# KiCad board AT386SX.kicad_pcb (continued)
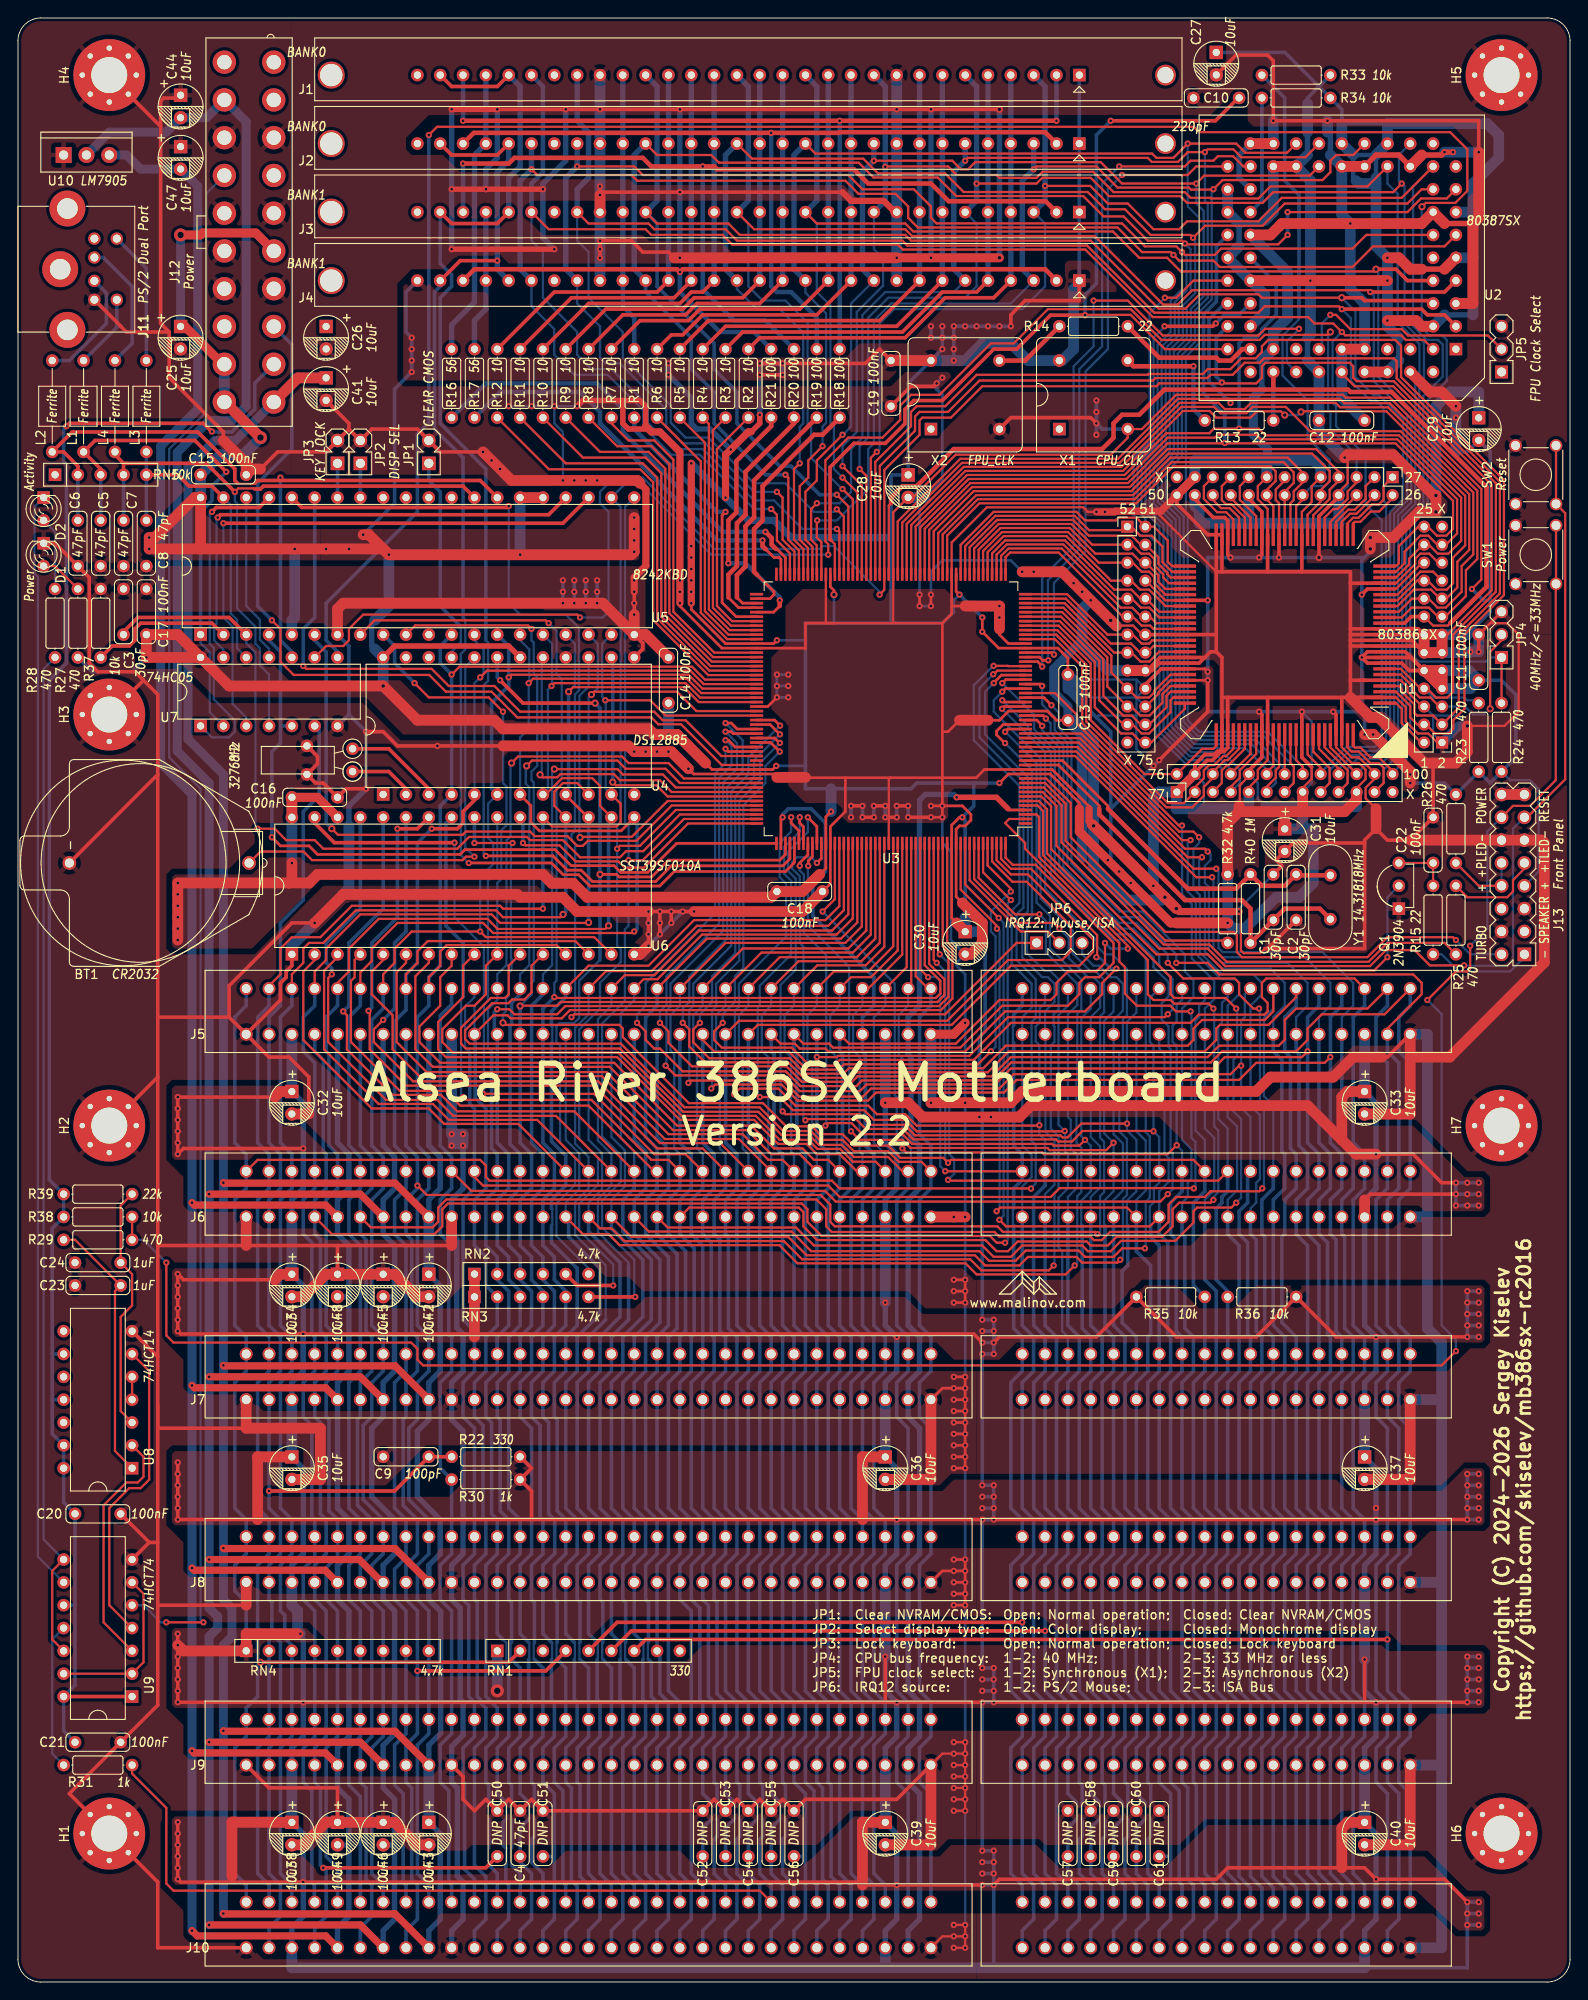
[diagram p0: board, top side]
## Footprints (pads in the part's own frame, mm; a bottom-side part is the same pattern mirrored in y, then rotated) (continued)
Res_762
  round 1.397 hole 0.813: 1(-3.81,0) 2(3.81,0)
Switch_Tactile_6mm
  round 1.4 hole 1.001: 1(-3.251,2.25) 1(3.251,2.25) 2(-3.251,-2.25) 2(3.251,-2.25)
Transistor_TO92_EBC_254
  rect 1.397x1.397 hole 0.813: 1(-2.54,0)
  round 1.397 hole 0.813: 2(0,0) 3(2.54,0)

## Nets
+12V: C41.1 C42.1 C43.1 J5.9 J6.9 J7.9 J8.9 J9.9 J10.9 J12.10
-5V: C47.2 C48.2 C49.2 J5.5 J6.5 J7.5 J8.5 J9.5 J10.5 U10.3
-12V: C44.2 C45.2 C46.2 J5.7 J6.7 J7.7 J8.7 J9.7 J10.7 J12.12 U10.2
GND: BT1.2 C1.2 C2.2 C3.2 C4.2 C5.2 C6.2 C7.2 C8.2 C9.2 C10.2 C11.2 C12.2 C13.2 C14.2 C15.2 C16.2 C17.2 C18.2 C19.2 C20.2 C21.2 C22.2 C23.2 C24.2 C25.2 C26.2 C27.2 C28.2 C29.2 C30.2 C31.2 C32.2 C33.2 C34.2 C35.2 C36.2 C37.2 C38.2 C39.2 C40.2 C41.2 C42.2 C43.2 C44.1 C45.1 C46.1 C47.1 C48.1 C49.1 C50.2 C51.2 C52.2 C53.2 C54.2 C55.2 C56.2 C57.2 C58.2 C59.2 C60.2 C61.2 D1.1 H1.1 H2.1 H3.1 H4.1 H5.1 H6.1 H7.1 J1.9 J1.22 J2.9 J2.22 J3.9 J3.22 J4.9 J4.22 J5.1 J5.10 J5.31 J5.80 J6.1 J6.10 J6.31 J6.80 J7.1 J7.10 J7.31 J7.80 J8.1 J8.10 J8.31 J8.80 J9.1 J9.10 J9.31 J9.80 J10.1 J10.10 J10.31 J10.80 J11.3 J12.3 J12.5 J12.7 J12.13 J12.15 J12.16 J12.17 J13.4 J13.5 J13.11 J13.12 J13.15 J13.16 J14.1 J14.6 J14.11 J14.12 J14.13 J14.14 J14.21 J15.9 J15.15 J15.23 J15.26 J16.14 J16.17 J16.18 J17.1 J17.4 J17.9 J17.24 JP1.2 JP2.2 JP3.2 JP4.3 JP5.3 Q1.1 R37.2 SW1.1 SW2.1 U1.2 U1.5 U1.11 U1.12 U1.13 U1.14 U1.22 U1.35 U1.41 U1.49 U1.50 U1.63 U1.67 U1.68 U1.77 U1.78 U1.85 U1.98 U2.5 U2.14 U2.21 U2.25 U2.27 U2.32 U2.34 U2.38 U2.42 U2.55 U2.60 U2.61 U2.63 U2.66 U3.13 U3.26 U3.41 U3.65 U3.78 U3.93 U3.117 U3.130 U3.145 U3.169 U3.182 U3.197 U4.12 U4.13 U4.16 U5.7 U5.20 U6.1 U6.16 U7.7 U8.7 U9.7 U10.1 X1.4 X2.4 Y2.3
VCC: C11.1 C12.1 C13.1 C14.1 C15.1 C16.1 C17.1 C18.1 C19.1 C25.1 C26.1 C27.1 C28.1 C29.1 C30.1 C31.1 C32.1 C33.1 C34.1 C35.1 C36.1 C37.1 C38.1 C39.1 C40.1 J1.1 J1.30 J2.1 J2.30 J3.1 J3.30 J4.1 J4.30 J5.3 J5.29 J5.78 J6.3 J6.29 J6.78 J7.3 J7.29 J7.78 J8.3 J8.29 J8.78 J9.3 J9.29 J9.78 J10.3 J10.29 J10.78 J11.4 J12.4 J12.6 J12.19 J12.20 J13.7 J14.7 J14.9 J14.10 J14.22 J15.8 J15.13 J15.18 J15.24 J16.8 J16.20 J16.22 J17.10 J17.15 J17.21 JP5.1 R22.1 R23.1 R24.1 R26.1 R27.1 R30.1 R32.1 R33.1 R34.1 R35.1 R36.1 RN1.1 RN2.1 RN3.1 RN4.1 RN5.1 U1.8 U1.9 U1.10 U1.21 U1.32 U1.39 U1.42 U1.48 U1.57 U1.69 U1.71 U1.84 U1.91 U1.97 U2.4 U2.9 U2.13 U2.22 U2.26 U2.31 U2.33 U2.37 U2.39 U2.43 U2.46 U2.50 U2.58 U2.62 U2.64 U3.12 U3.40 U3.64 U3.92 U3.116 U3.144 U3.168 U3.196 U4.18 U4.24 U5.5 U5.25 U5.26 U5.40 U6.30 U6.32 U7.14 X1.8 X2.8
/ISA Slots and Power/VSTB: C20.1 C21.1 J12.9 R38.2 R39.2 U8.9 U8.11 U8.13 U8.14 U9.1 U9.10 U9.14
/ISA Slots and Power/~{PS_OFF}: U9.2 U9.6 U9.13
/ISA Slots and Power/~{PS_ON}: J12.14 U9.5
/Memory, BIOS, Keyboard, RTC/DISP_SEL: JP2.1 U5.33
/Memory, BIOS, Keyboard, RTC/KB_CLOCK: J11.5 L1.2
/Memory, BIOS, Keyboard, RTC/KB_DATA: J11.1 L2.2
/Memory, BIOS, Keyboard, RTC/KBCI: C5.1 L1.1 RN5.3 U5.1 U7.2
/Memory, BIOS, Keyboard, RTC/KBCO: U5.37 U7.1
/Memory, BIOS, Keyboard, RTC/KBDI: C6.1 L2.1 RN5.2 U5.27 U7.10
/Memory, BIOS, Keyboard, RTC/KBDO: U5.38 U7.11
/Memory, BIOS, Keyboard, RTC/KEY_LOCK: JP3.1 U5.34
/Memory, BIOS, Keyboard, RTC/MS_CLOCK: J11.6 L3.2
/Memory, BIOS, Keyboard, RTC/MS_DATA: J11.2 L4.2
/Memory, BIOS, Keyboard, RTC/MSC0: U5.24 U7.13
/Memory, BIOS, Keyboard, RTC/MSCI: C8.1 L3.1 RN5.5 U5.39 U7.12
/Memory, BIOS, Keyboard, RTC/MSD0: U5.23 U7.3
/Memory, BIOS, Keyboard, RTC/MSDI: C7.1 L4.1 RN5.4 U5.28 U7.4
/Memory, BIOS, Keyboard, RTC/RA0: J1.4 J2.4 J3.4 J4.4 R2.2
/Memory, BIOS, Keyboard, RTC/RA1: J1.5 J2.5 J3.5 J4.5 R3.2
/Memory, BIOS, Keyboard, RTC/RA2: J1.7 J2.7 J3.7 J4.7 R4.2
/Memory, BIOS, Keyboard, RTC/RA3: J1.8 J2.8 J3.8 J4.8 R5.2
/Memory, BIOS, Keyboard, RTC/RA4: J1.11 J2.11 J3.11 J4.11 R6.2
/Memory, BIOS, Keyboard, RTC/RA5: J1.12 J2.12 J3.12 J4.12 R7.2
/Memory, BIOS, Keyboard, RTC/RA6: J1.14 J2.14 J3.14 J4.14 R8.2
/Memory, BIOS, Keyboard, RTC/RA7: J1.15 J2.15 J3.15 J4.15 R9.2
/Memory, BIOS, Keyboard, RTC/RA8: J1.17 J2.17 J3.17 J4.17 R10.2
/Memory, BIOS, Keyboard, RTC/RA9: J1.18 J2.18 J3.18 J4.18 R11.2
/Memory, BIOS, Keyboard, RTC/RA10: J1.19 J2.19 J3.19 J4.19 R12.2
/Memory, BIOS, Keyboard, RTC/~{RCAS0}: J1.2 J1.28 R18.2
/Memory, BIOS, Keyboard, RTC/~{RCAS1}: J2.2 J2.28 R19.2
/Memory, BIOS, Keyboard, RTC/~{RCAS2}: J3.2 J3.28 R20.2
/Memory, BIOS, Keyboard, RTC/~{RCAS3}: J4.2 J4.28 R21.2
/Memory, BIOS, Keyboard, RTC/~{RRAS01}: J1.27 J2.27 R16.2
/Memory, BIOS, Keyboard, RTC/~{RRAS23}: J3.27 J4.27 R17.2
/Memory, BIOS, Keyboard, RTC/~{RWE}: J1.21 J2.21 J3.21 J4.21 R1.2
/NC: J15.1 U1.27
/PWR_LED+: J13.8 J13.10 R26.2
/READY: JP4.1 R24.2 U7.8
/RESET_SW: J13.13 SW2.2 U3.8
/SPEAKER: Q1.2 U3.7
/SPEAKER-: J13.1 R15.1
/TURBO_LED+: J13.9 R25.1
/TURBO_SW: J13.2 U3.11
/~{ERROR}: J15.12 R33.2 U1.36
/~{FLT}: J15.4 U1.28
/~{FLUSH}: J15.6 U1.30
/~{KEN}: J15.3 U1.29
/~{LOCK}: J15.2 U1.26
/~{NA}: J14.5 JP4.2 U1.6
/~{RPLSET}: J15.19 U1.45
/~{RPLVAL}: J15.22 U1.46
/~{SMADS}: J14.19 U1.20
/~{SMI}: J15.21 U1.47
/~{SUSPA}: J15.20 U1.44
/~{SUSP}: J15.17 U1.43
A1: J14.17 U1.18 U3.74
A2: J16.2 U1.51 U2.48 U3.63
A3: J16.1 U1.52 U3.62
A4: J16.4 U1.53 U3.61
A5: J16.3 U1.54 U3.60
A6: J16.6 U1.55 U3.59
A7: J16.5 U1.56 U3.58
A8: J16.7 U1.58 U3.57
A9: J16.10 U1.59 U3.56
A10: J16.9 U1.60 U3.55
A11: J16.12 U1.61 U3.54
A12: J16.11 U1.62 U3.53
A13: J16.13 U1.64 U3.52
A14: J16.16 U1.65 U3.51
A15: J16.15 U1.66 U3.50
A16: J16.19 U1.70 U3.49
A17: J16.21 U1.72 U3.48
A18: J16.24 U1.73 U3.47
A19: J16.23 U1.74 U3.46
A20: J16.26 U1.75 U3.45
A21: J17.2 U1.76 U3.44
A22: J17.3 U1.79 U3.43
A23: J17.6 U1.80 U2.45 U3.42
AEN: J5.42 J6.42 J7.42 J8.42 J9.42 J10.42 U3.2
ALE: J5.28 J6.28 J7.28 J8.28 J9.28 J10.28 U3.158
BCLK: J5.20 J6.20 J7.20 J8.20 J9.20 J10.20 U3.5
CLK2: J14.16 R13.2 U1.15 U2.54 U3.79
CPU_PEREQ: J15.11 U1.37 U3.68
CPU_RESET: J15.7 U1.33 U3.70
D0: J1.3 J3.3 J14.2 U1.1 U2.19 U3.83
D1: J1.6 J3.6 J17.26 U1.100 U2.20 U3.84
D2: J1.10 J3.10 J17.23 U1.99 U2.23 U3.85
D3: J1.13 J3.13 J17.22 U1.96 U2.8 U3.86
D4: J1.16 J3.16 J17.19 U1.95 U2.7 U3.87
D5: J1.20 J3.20 J17.20 U1.94 U2.6 U3.88
D6: J1.23 J3.23 J17.17 U1.93 U2.3 U3.89
D7: J1.25 J3.25 J17.18 U1.92 U2.2 U3.90
D8: J2.3 J4.3 J17.16 U1.90 U2.24 U3.94
D9: J2.6 J4.6 J17.13 U1.89 U2.28 U3.95
D10: J2.10 J4.10 J17.14 U1.88 U2.29 U3.96
D11: J2.13 J4.13 J17.11 U1.87 U2.30 U3.97
D12: J2.16 J4.16 J17.12 U1.86 U2.16 U3.98
D13: J2.20 J4.20 J17.7 U1.83 U2.15 U3.99
D14: J2.23 J4.23 J17.8 U1.82 U2.12 U3.100
D15: J2.25 J4.25 J17.5 U1.81 U2.11 U3.101
D/~{C}: J14.23 U1.24 U3.72
DP_HI: J2.26 J2.29 J4.26 J4.29 U3.161
DP_LO: J1.26 J1.29 J3.26 J3.29 U3.160
DRQ0: J5.71 J6.71 J7.71 J8.71 J9.71 J10.71 U3.30
DRQ1: J5.18 J6.18 J7.18 J8.18 J9.18 J10.18 U3.28
DRQ2: J5.6 J6.6 J7.6 J8.6 J9.6 J10.6 U3.25
DRQ3: J5.16 J6.16 J7.16 J8.16 J9.16 J10.16 U3.23
DRQ5: J5.73 J6.73 J7.73 J8.73 J9.73 J10.73 U3.21
DRQ6: J5.75 J6.75 J7.75 J8.75 J9.75 J10.75 U3.19
DRQ7: J5.77 J6.77 J7.77 J8.77 J9.77 J10.77 U3.17
FPU_CLK2: R14.2 U2.53
FPU_PEREQ: U2.56 U3.37
FPU_RESET: C10.1 U2.51 U3.91
HLDA: J14.4 U1.3 U3.82
HOLD: J14.3 U1.4 U3.81
INTR: J15.16 U1.40 U3.66
IO_CH_RDY: J5.41 J6.41 J7.41 J8.41 J9.41 J10.41 R30.2 U3.33
IRQ3: C56.1 J5.25 J6.25 J7.25 J8.25 J9.25 J10.25 U3.208
IRQ4: C55.1 J5.24 J6.24 J7.24 J8.24 J9.24 J10.24 U3.207
IRQ5: C54.1 J5.23 J6.23 J7.23 J8.23 J9.23 J10.23 U3.206
IRQ6: C53.1 J5.22 J6.22 J7.22 J8.22 J9.22 J10.22 U3.205
IRQ7: C52.1 J5.21 J6.21 J7.21 J8.21 J9.21 J10.21 U3.204
IRQ9: C50.1 J5.4 J6.4 J7.4 J8.4 J9.4 J10.4 U3.203
IRQ10: C57.1 J5.65 J6.65 J7.65 J8.65 J9.65 J10.65 U3.202
IRQ11: C58.1 J5.66 J6.66 J7.66 J8.66 J9.66 J10.66 U3.201
IRQ12: C59.1 J5.67 J6.67 J7.67 J8.67 J9.67 J10.67 JP6.3
IRQ12_JP: JP6.2 U3.200
IRQ14: C61.1 J5.69 J6.69 J7.69 J8.69 J9.69 J10.69 U3.199
IRQ15: C60.1 J5.68 J6.68 J7.68 J8.68 J9.68 J10.68 U3.198
KBC_CLK: C3.1 U3.154 U5.3
KBC_IRQ1: U3.141 U5.35
KBC_IRQ12: JP6.1 U5.36
LA17: J5.88 J6.88 J7.88 J8.88 J9.88 J10.88 U3.170
LA18: J5.87 J6.87 J7.87 J8.87 J9.87 J10.87 U3.167
LA19: J5.86 J6.86 J7.86 J8.86 J9.86 J10.86 U3.166
LA20: J5.85 J6.85 J7.85 J8.85 J9.85 J10.85 U3.165
LA21: J5.84 J6.84 J7.84 J8.84 J9.84 J10.84 U3.164
LA22: J5.83 J6.83 J7.83 J8.83 J9.83 J10.83 U3.163
LA23: J5.82 J6.82 J7.82 J8.82 J9.82 J10.82 U3.162
M/~{IO}: J14.24 U1.23 U2.44 U3.73
MA0: R2.1 U3.111
MA1: R3.1 U3.112
MA2: R4.1 U3.113
MA3: R5.1 U3.114
MA4: R6.1 U3.115
MA5: R7.1 U3.118
MA6: R8.1 U3.119
MA7: R9.1 U3.120
MA8: R10.1 U3.121
MA9: R11.1 U3.122
MA10: R12.1 U3.123
MASTER: J5.79 J6.79 J7.79 J8.79 J9.79 J10.79 RN1.7 U3.32
NMI: J15.14 U1.38 U3.67
OSC: J5.30 J6.30 J7.30 J8.30 J9.30 J10.30 U3.4
POWER_GOOD: J12.8 U3.143
POWER_SW: J13.14 R29.1 R38.1 SW1.2
RESET: C9.1 J5.2 J6.2 J7.2 J8.2 J9.2 J10.2 R22.2 U7.6
RTC_AS: U3.150 U4.14
RTC_DS: U3.149 U4.17
RTC_RW: U3.151 U4.15
SA0: J5.62 J6.62 J7.62 J8.62 J9.62 J10.62 U3.188 U6.12
SA1: J5.61 J6.61 J7.61 J8.61 J9.61 J10.61 U3.187 U6.11
SA2: J5.60 J6.60 J7.60 J8.60 J9.60 J10.60 U3.186 U5.9 U6.10
SA3: J5.59 J6.59 J7.59 J8.59 J9.59 J10.59 U3.185 U6.9
SA4: J5.58 J6.58 J7.58 J8.58 J9.58 J10.58 U3.184 U6.8
SA5: J5.57 J6.57 J7.57 J8.57 J9.57 J10.57 U3.183 U6.7
SA6: J5.56 J6.56 J7.56 J8.56 J9.56 J10.56 U3.181 U6.6
SA7: J5.55 J6.55 J7.55 J8.55 J9.55 J10.55 R31.1 U3.180 U6.5
SA8: J5.54 J6.54 J7.54 J8.54 J9.54 J10.54 U3.179 U6.27
SA9: J5.53 J6.53 J7.53 J8.53 J9.53 J10.53 U3.178 U6.26
SA10: J5.52 J6.52 J7.52 J8.52 J9.52 J10.52 U3.177 U6.23
SA11: J5.51 J6.51 J7.51 J8.51 J9.51 J10.51 U3.176 U6.25
SA12: J5.50 J6.50 J7.50 J8.50 J9.50 J10.50 U3.175 U6.4
SA13: J5.49 J6.49 J7.49 J8.49 J9.49 J10.49 U3.174 U6.28
SA14: J5.48 J6.48 J7.48 J8.48 J9.48 J10.48 U3.173 U6.29
SA15: J5.47 J6.47 J7.47 J8.47 J9.47 J10.47 U3.172 U6.3
SA16: J5.46 J6.46 J7.46 J8.46 J9.46 J10.46 U3.171 U6.2
SA17: J5.45 J6.45 J7.45 J8.45 J9.45 J10.45 RN2.4 U3.148
SA18: J5.44 J6.44 J7.44 J8.44 J9.44 J10.44 RN2.3 U3.147
SA19: J5.43 J6.43 J7.43 J8.43 J9.43 J10.43 RN2.2 U3.146
SD0: J5.40 J6.40 J7.40 J8.40 J9.40 J10.40 RN4.9 U3.124 U4.4 U5.12 U6.13
SD1: J5.39 J6.39 J7.39 J8.39 J9.39 J10.39 RN4.8 U3.125 U4.5 U5.13 U6.14
SD2: J5.38 J6.38 J7.38 J8.38 J9.38 J10.38 RN4.7 U3.126 U4.6 U5.14 U6.15
SD3: J5.37 J6.37 J7.37 J8.37 J9.37 J10.37 RN4.6 U3.127 U4.7 U5.15 U6.17
SD4: J5.36 J6.36 J7.36 J8.36 J9.36 J10.36 RN4.5 U3.128 U4.8 U5.16 U6.18
SD5: J5.35 J6.35 J7.35 J8.35 J9.35 J10.35 RN4.4 U3.129 U4.9 U5.17 U6.19
SD6: J5.34 J6.34 J7.34 J8.34 J9.34 J10.34 RN4.3 U3.131 U4.10 U5.18 U6.20
SD7: J5.33 J6.33 J7.33 J8.33 J9.33 J10.33 RN4.2 U3.132 U4.11 U5.19 U6.21
SD8: J5.91 J6.91 J7.91 J8.91 J9.91 J10.91 U3.133
SD9: J5.92 J6.92 J7.92 J8.92 J9.92 J10.92 U3.134
SD10: J5.93 J6.93 J7.93 J8.93 J9.93 J10.93 U3.135
SD11: J5.94 J6.94 J7.94 J8.94 J9.94 J10.94 U3.136
SD12: J5.95 J6.95 J7.95 J8.95 J9.95 J10.95 U3.137
SD13: J5.96 J6.96 J7.96 J8.96 J9.96 J10.96 U3.138
SD14: J5.97 J6.97 J7.97 J8.97 J9.97 J10.97 U3.139
SD15: J5.98 J6.98 J7.98 J8.98 J9.98 J10.98 U3.140
TC: J5.27 J6.27 J7.27 J8.27 J9.27 J10.27 U3.3
W/~{R}: J14.26 U1.25 U2.41 U3.71
~{0WS}: J5.8 J6.8 J7.8 J8.8 J9.8 J10.8 RN1.4 U3.31
~{ADS}: J14.15 U1.16 U2.47 U3.77
~{BHE}: J14.20 U1.19 U3.75
~{BIOS_CS}: U3.156 U6.22
~{BLE}: J14.18 U1.17 U3.76
~{CPU_BUSY}: J15.10 U1.34 U3.69
~{DACK0}: J5.70 J6.70 J7.70 J8.70 J9.70 J10.70 U3.29
~{DACK1}: J5.17 J6.17 J7.17 J8.17 J9.17 J10.17 U3.27
~{DACK2}: J5.26 J6.26 J7.26 J8.26 J9.26 J10.26 U3.24
~{DACK3}: J5.15 J6.15 J7.15 J8.15 J9.15 J10.15 U3.22
~{DACK5}: J5.72 J6.72 J7.72 J8.72 J9.72 J10.72 U3.20
~{DACK6}: J5.74 J6.74 J7.74 J8.74 J9.74 J10.74 U3.18
~{DACK7}: J5.76 J6.76 J7.76 J8.76 J9.76 J10.76 U3.16
~{FPU_BUSY}: U2.36 U3.38
~{FPU_ERROR}: U2.35 U3.39
~{IO_CH_CHK}: J5.32 J6.32 J7.32 J8.32 J9.32 J10.32 RN1.2 U3.35
~{IOCS16}: J5.64 J6.64 J7.64 J8.64 J9.64 J10.64 RN1.6 U3.34
~{IOR}: C51.1 J5.14 J6.14 J7.14 J8.14 J9.14 J10.14 RN3.5 U3.190 U5.8
~{IOW}: C4.1 J5.13 J6.13 J7.13 J8.13 J9.13 J10.13 RN3.4 U3.191 U5.10
~{KBC_CS}: U3.152 U5.6
~{KBC_GA20}: J15.5 RN2.5 U1.31 U3.153 U5.22
~{KBC_RC}: RN3.6 U3.155 U5.21
~{MCAS0}: R18.1 U3.106
~{MCAS1}: R19.1 U3.107
~{MCAS2}: R20.1 U3.108
~{MCAS3}: R21.1 U3.109
~{MEMCS16}: J5.63 J6.63 J7.63 J8.63 J9.63 J10.63 RN1.5 U3.36
~{MEMR}: J5.89 J6.89 J7.89 J8.89 J9.89 J10.89 R35.2 U3.192 U6.24
~{MEMW}: J5.90 J6.90 J7.90 J8.90 J9.90 J10.90 R36.2 U3.193
~{MRAS01}: R16.1 U3.102
~{MRAS23}: R17.1 U3.103
~{MWE}: R1.1 U3.110
~{READY}: J14.8 R23.2 U1.7 U2.49 U3.80 U7.9
~{REFRESH}: J5.19 J6.19 J7.19 J8.19 J9.19 J10.19 RN1.8 U3.6
~{RESET}: U3.157 U5.4 U7.5
~{RTC_IRQ8}: RN2.6 U3.159 U4.19
~{SBHE}: J5.81 J6.81 J7.81 J8.81 J9.81 J10.81 U3.189
~{SMEMR}: J5.12 J6.12 J7.12 J8.12 J9.12 J10.12 RN3.3 U3.194
~{SMEMW}: J5.11 J6.11 J7.11 J8.11 J9.11 J10.11 RN3.2 U3.195 U6.31
Net-(BT1-Pad1): BT1.1 U4.20
Net-(C1-Pad1): C1.1 R40.1 U3.14 Y1.1
Net-(C2-Pad1): C2.1 R40.2 U3.15 Y1.2
Net-(C22-Pad1): C22.1 Q1.3 R15.2
Net-(C23-Pad1): C23.1 R29.2 U8.1
Net-(C24-Pad1): C24.1 R39.1 U8.3
Net-(D1-Pad2): D1.2 R27.2
Net-(D2-Pad1): D2.1 U9.9
Net-(D2-Pad2): D2.2 R28.2
Net-(JP1-Pad1): JP1.1 U4.21
Net-(JP5-Pad2): JP5.2 U2.59
Net-(R13-Pad1): R13.1 X1.5
Net-(R14-Pad1): R14.1 X2.5
Net-(R25-Pad2): R25.2 U3.9
Net-(R28-Pad1): R28.1 U9.8 U9.12
Net-(R31-Pad2): R31.2 U9.11
Net-(R32-Pad2): R32.2 U3.10
Net-(R34-Pad2): R34.2 U2.40
Net-(R37-Pad1): R37.1 U5.2
Net-(U4-Pad2): U4.2 Y2.2
Net-(U4-Pad3): U4.3 Y2.1
Net-(U8-Pad2): U8.2 U9.3
Net-(U8-Pad4): U8.4 U8.5
Net-(U8-Pad6): U8.6 U9.4

Pads without a net: J1 24 ~; J2 24 ~; J3 24 ~; J4 24 ~; J11 ~; J12 1 2 11 18; J13 3 6; J14 25; J15 25; J16 25; J17 25; RN1 3 9; U2 1 10 17 18 52 57 65 67 68; U3 1 104 105 142; U4 1 22 23; U5 11 29 30 31 32; U8 8 10 12; X1 1; X2 1

## Via types
v1: diameter 0.7, hole 0.3, Top to Bottom, 660 vias
v2: diameter 0.8, hole 0.4, Top to Bottom, 38 vias
v3: diameter 1.45, hole 0.725, Top to Bottom, 3 vias

## Routing (per net, layer and track width the routed paths; a pad name or vN(x,y) marks a point on that pad's centre or on a via; arc(x,y) is an arc through that point)
+12V: length 413
  Top w0.8: v1(22.86,88.9) 22.91,88.85 41.96,88.85 J6.9 ; J7.9 41.96,68.53 22.91,68.53 v1(22.86,68.58) ; J10.9 41.91,7.62 41.86,7.57 22.91,7.57 v1(22.86,7.62) ; J9.9 41.96,27.89 22.91,27.89 v1(22.86,27.94) ; v1(22.86,48.26) 22.91,48.21 41.96,48.21 J8.9
  Top w1.2: C41.1 31.16,178.41 J12.10
  Bottom w0.6: J6.9 45.72,87 46.99,88.26 46.99,91.76 45.72,93.03 J5.9 ; J9.9 45.72,26.35 47.04,27.67 47.04,41.22 45.72,42.54 J8.9 45.72,46.35 46.99,47.62 46.99,51.44 44.45,53.97 44.45,61.28 45.72,62.55 J7.9 45.72,66.68 46.99,67.94 46.99,77.45 C42.1 ; 45.72,17.78 46.99,16.51 46.99,6.98 45.72,5.72 J10.9
  Bottom w1: v1(22.86,7.62) v1(22.86,27.94) 22.86,37.47 23.81,38.42 23.81,41.59 22.86,42.54 v1(22.86,48.26) v1(22.86,68.58) v1(22.86,88.9) 22.86,134.3 18.92,138.24 18.92,168.46 21.91,171.45 24.19,171.45 J12.10
  Bottom w1.2: J6.9 C42.1 ; C43.1 J9.9
-5V: length 402.2
  Top w0.8: v1(19.37,66.36) 19.64,66.09 34.24,66.09 J7.5 ; v1(19.37,46.04) 19.61,45.8 34.17,45.8 35.56,44.41 ; v1(19.37,5.72) 19.95,5.13 34.24,5.13 J10.5 ; J6.5 34.24,86.41 19.64,86.41 v1(19.37,86.68) ; J9.5 34.21,25.48 19.61,25.48 v1(19.37,25.72)
  Bottom w0.6: 36.83,15.24 36.83,7.3 35.56,6.03 J10.5 ; 36.83,15.24 35.56,15.24 ; 36.83,15.24 36.83,20.32 35.56,21.59 J9.5 35.56,26.03 36.83,27.31 36.83,41.28 35.56,42.54 J8.5 35.56,46.35 36.83,47.62 36.83,51.44 35.56,52.71 J7.5 35.56,66.68 36.83,67.94 36.83,81.91 35.56,83.19 J6.5 35.56,87 36.83,88.26 36.83,92.07 35.56,93.34 J5.5 ; C48.2 36.83,76.22
  Bottom w1: v1(19.37,5.72) v1(19.37,25.72) v1(19.37,46.04) v1(19.37,66.36) v1(19.37,86.68) 19.37,132.08 15.88,135.57 15.88,170.81 20,174.94 20,199.73 C47.2 13.65,201.63 12.08,203.2 U10.3
-12V: length 441.4
  Top w0.8: J10.7 38.1,6.35 v1(21.27,6.35) ; J9.7 38.1,26.67 v1(21.27,26.67) ; J6.7 38.1,87.63 v1(21.27,87.63) ; v1(21.27,46.99) 37.98,46.99 40.64,44.33 ; J7.7 38.1,67.31 v1(21.27,67.31)
  Bottom w0.6: 41.91,76.2 41.91,81.91 40.64,83.19 J6.7 40.64,87 41.91,88.26 41.91,91.76 40.64,93.03 J5.7 ; 41.91,76.2 41.89,76.22 C45.2 ; 41.91,76.2 41.91,67.94 40.64,66.68 J7.7 40.64,62.87 39.37,61.59 39.37,53.97 41.91,51.44 41.91,47.62 40.64,46.35 J8.7 40.64,42.54 41.91,41.28 41.91,27.59 40.64,26.32 J9.7 40.64,21.59 41.91,20.32 41.91,15.24 ; 41.91,15.24 40.64,15.24 ; 41.91,15.24 41.91,6.98 40.64,5.72 J10.7
  Bottom w1: U10.2 10.16,205.74 16.49,205.74 C44.2 20.99,207.35 J12.12 25.4,206.89 25.4,175.26 23.81,173.67 21.27,173.67 17.72,170.12 17.72,136.9 21.27,133.35 v1(21.27,87.63) v1(21.27,67.31) v1(21.27,46.99) 21.27,41.59 22.23,40.64 22.23,39.37 21.27,38.42 v1(21.27,26.67) v1(21.27,6.35)
GND: length 3052.6
  Top w0.25: 151.13,130.49 149.97,131.65 149.97,132.83 150.97,133.82 J17.24 150.97,134.46 149.23,136.21 148.43,136.21 147.32,137.32 U1.98 ; v1(105.41,5.08) v1(105.41,3.81) v1(104.14,3.81) ; v1(105.41,5.08) v1(105.41,6.35) v1(104.14,6.35) ; v1(105.41,5.08) v1(104.14,5.08) 102.87,5.08 J10.31 ; 122.24,150.81 122.28,150.86 124.1,150.86 125.09,149.86 J16.14 ; U3.182 96.91,133.74 97.12,133.95 ; U1.5 153.88,144.78 154.62,144.04 154.62,143.51 156.28,141.86 J14.6 ; J17.9 136.97,132.84 137.97,133.84 137.97,134.8 139.06,135.89 U1.85 ; U1.41 139.06,163.83 137.97,164.92 137.97,166.37 J15.15 ; U3.65 103.91,160.1 107.82,164.02 118.56,164.02 119.06,163.51 v1(120.01,163.51) ; v1(105.41,24.13) v1(104.14,24.13) ; v1(105.41,24.13) v1(105.41,25.4) ; v1(105.41,24.13) v1(105.41,22.86) ; v1(105.41,25.4) v1(105.41,26.67) v1(104.14,26.67) ; v1(105.41,25.4) v1(104.14,25.4) 102.87,25.4 J9.31 ; U1.22 153.35,155.57 155.48,157.7 155.48,158.27 156.07,158.86 157.05,158.86 158.05,157.86 J14.21 ; 97.41,151.2 U3.78 97.41,163.47 99.04,165.1 99.58,165.1 104.34,169.86 121.6,169.86 123.51,171.77 X1.4 125.09,172.72 128.9,176.53 147.44,176.53 147.76,176.21 152.68,176.21 162.85,166.04 162.85,155.98 v1(161.81,154.94) ; v1(105.41,21.59) v1(105.41,22.86) ; v1(105.41,21.59) v1(104.14,21.59) ; v1(105.41,21.59) v1(105.41,20.32) ; v1(105.41,22.86) v1(104.14,22.86) ; U2.60 147.32,178.91 148.75,177.48 153.03,177.48 164,166.52 164,154.79 159.07,149.86 158.75,149.86 ; J14.1 157.95,137.86 156.95,138.86 155.78,138.86 154.44,140.2 154.44,141.79 153.35,142.88 U1.2 ; 133.35,156.84 126.68,163.51 v1(120.97,163.51) ; v1(104.14,19.05) v1(105.41,19.05) v1(105.41,20.32) ; 102.87,151.13 89.91,151.13 U3.93 ; 138.75,114.94 138.24,114.43 136.39,114.43 136.09,114.73 136.09,118.86 v1(135.89,119.06) ; U1.35 142.88,163.51 143.97,164.61 143.97,166.37 J15.9 ; JP4.3 C11.2 163.83,151.13 165.73,151.13 167,149.86 167,141.29 165.42,139.7 v2(161.29,139.7) ; v1(105.41,20.32) v1(104.14,20.32)
  Top w0.3: v1(105.41,64.77) v1(104.14,64.77) ; v1(105.41,64.77) v1(105.41,66.04) ; v1(105.41,64.77) v1(105.41,63.5) ; 102.87,139.06 102.87,133.99 102.83,133.95 ; 102.87,139.06 103.5,139.06 104.78,140.33 ; 102.87,139.06 102.87,151.13 103.91,152.16 103.91,152.95 ; v1(105.41,76.84) v1(105.41,75.56) v1(104.14,75.56) ; v1(105.41,76.84) v1(105.41,78.1) v1(104.14,78.1) ; v1(105.41,76.84) v1(104.14,76.84) ; 103.91,152.95 103.99,153.03 105.41,153.03 ; 103.91,152.95 U3.65 ; v1(105.41,66.04) v1(104.14,66.04) 102.87,66.04 J7.31 ; v1(105.41,66.04) v1(105.41,67.31) v1(104.14,67.31) ; v1(104.14,57.15) v1(105.41,57.15) v1(105.41,58.42) ; v1(105.41,43.18) v1(104.14,43.18) ; v1(105.41,43.18) v1(105.41,41.91) v1(104.14,41.91) ; v1(105.41,43.18) v1(105.41,44.45) ; v1(105.41,59.69) v1(104.14,59.69) ; v1(105.41,59.69) v1(105.41,60.96) ; v1(105.41,59.69) v1(105.41,58.42) ; v1(105.41,63.5) v1(104.14,63.5) ; v1(105.41,63.5) v1(105.41,62.23) ; v1(102.87,130.81) 105.09,130.81 106.05,129.86 106.05,129.22 105.41,128.59 104.78,128.59 104.41,128.22 U3.197 104.41,120.7 105.09,120.02 ; v1(102.87,130.81) 102.87,133.91 102.83,133.95 ; v1(102.87,130.81) v1(102.87,129.54) v1(101.6,129.54) ; v1(102.87,130.81) v1(101.6,130.81) ; 119.21,130.49 119.21,130.73 115.09,134.86 U3.13 107.55,134.86 106.64,133.95 102.83,133.95 ; C13.2 115.57,140.33 114.55,141.36 U3.26 110.24,141.36 109.22,140.33 107.95,140.33 ; v1(105.41,58.42) v1(104.14,58.42) ; 102.83,133.95 92.08,133.95 ; C18.2 90.41,122.16 U3.169 90.41,128.5 92.08,130.18 92.08,133.95 ; J8.31 102.87,45.72 v1(104.14,45.72) v1(105.41,45.72) ; U3.130 83.44,141.86 v1(84.45,142.88) ; v1(104.14,46.99) v1(105.41,46.99) v1(105.41,45.72) ; v1(105.41,45.72) v1(105.41,44.45) ; 92.08,133.95 87.67,133.95 87.63,133.99 ; v1(105.41,60.96) v1(105.41,62.23) ; v1(105.41,60.96) v1(104.14,60.96) ; v1(105.41,62.23) v1(104.14,62.23) ; v1(73.66,153.35) 73.66,153.03 78.34,148.36 U3.117 87.55,148.36 87.63,148.27 87.63,151.13 90.8,151.13 ; v1(101.6,153.03) v1(101.6,154.31) ; 84.45,133.99 84.08,134.36 U3.145 75.19,134.36 v1(74.61,134.94) ; v1(100.33,154.31) v1(100.33,153.03) ; 109.22,150.5 109.22,149.86 110.22,148.86 U3.41 ; v1(105.41,44.45) v1(104.14,44.45)
  Top w0.4: 148.27,150.5 148.27,155.57 ; 148.27,150.5 U1.14 155.84,150.5 J14.14 U1.13 148.27,149.86 ; 148.27,150.5 148.27,149.86 ; 148.27,155.57 U1.22 ; 148.27,155.57 148.27,156.84 142.88,156.84 ; C27.2 135.55,214.31 139.06,214.31 139.7,213.68 v1(139.7,207.01) v1(145.73,207.01) 162.56,207.01 v1(162.56,203.52) ; 134.62,142.88 133.98,142.88 ; 134.62,142.88 U1.78 134.62,137.27 134.22,136.86 133.9,136.86 ; 134.62,142.88 139.06,142.88 ; 133.98,142.88 U1.77 133.98,137.16 133.67,136.84 133.5,136.84 133.48,136.86 ; 133.98,142.88 133.98,147.32 133.35,147.95 ; C2.2 139.06,114.94 138.75,114.94 149.86,114.94 149.86,126.68 ; D1.1 4.13,160.02 C6.2 7.94,156.21 7.94,146.69 8.89,145.73 13.02,145.73 13.97,144.78 ; J9.1 27.94,21.59 35.56,21.59 C49.1 ; J9.31 97.79,20.32 87.63,20.32 C56.2 85.09,20.32 C55.2 82.55,20.32 C54.2 80.01,20.32 C53.2 77.47,20.32 C52.2 C51.2 57.15,20.32 C4.2 54.61,20.32 C50.2 52.07,20.32 50.8,19.05 49.53,20.32 49.53,22.86 J9.10 ; 133.35,156.84 133.35,149.86 ; 133.35,156.84 133.98,156.84 ; 133.35,156.84 U1.50 ; 133.35,149.86 133.35,147.95 ; 133.35,149.86 U1.63 J16.14 ; 149.22,144.78 149.86,144.78 ; 149.86,144.78 148.27,144.78 ; 149.86,144.78 U1.5 ; v1(162.56,147.95) C11.2 ; v1(120.01,173.35) 119.38,173.99 110.49,173.99 X2.4 ; 15.56,48.9 14.6,48.9 ; 14.6,48.9 U9.7 ; 14.6,48.9 C20.2 ; v1(96.52,130.81) v1(95.25,130.81) ; v2(109.22,208.28) v1(101.6,208.28) v1(97.79,208.28) v1(73.66,208.28) v1(64.77,208.28) v1(60.96,208.28) v1(53.34,208.28) ; C41.2 34.29,175.89 36.83,173.35 36.83,172.72 ; 53.97,137.48 42.23,137.48 40.64,139.06 v1(38.73,139.06) ; C19.2 99.38,177.48 101.92,177.48 v1(102.23,177.8) ; 147.32,142.88 139.06,142.88 ; 147.32,142.88 U1.98 ; 147.32,142.88 148.27,142.88 ; 139.06,142.88 U1.85 ; J5.80 152.4,102.87 151.76,102.87 ; J5.1 23.49,107.31 ; J5.1 27.94,102.87 30.16,102.87 32.37,100.67 32.37,96.54 ; J5.1 29.21,109.22 29.21,111.12 29.84,111.76 29.84,112.39 30.48,113.03 U6.1 ; 23.49,107.31 15.56,107.31 ; 23.49,107.31 23.49,110.81 30.48,117.79 v1(33.02,117.79) ; 36.83,172.72 JP3.2 34.29,170.18 28.89,170.18 26.99,168.28 ; 36.83,172.72 JP2.2 39.37,172.72 44.45,172.72 JP1.2 46.99,170.18 v1(51.75,170.18) ; 132.08,147.32 132.72,147.95 133.35,147.95 ; 132.08,147.32 131.44,146.69 U1.68 127,146.69 126.18,145.86 J16.18 125.65,145.86 127.11,147.32 U1.67 132.08,147.32 ; 139.06,156.84 133.98,156.84 ; 139.06,156.84 U1.41 ; 139.06,156.84 142.88,156.84 ; 133.98,156.84 U1.49 132.4,160.97 128.97,164.4 J15.26 ; 15.56,100.65 15.56,61.59 25.4,61.59 ; 15.56,100.65 H2.1 ; 15.56,100.65 15.56,107.31 ; 148.27,148.59 U1.11 155.75,148.59 155.82,148.52 ; 148.27,148.59 148.27,144.78 ; 148.27,148.59 148.27,149.22 ; J17.4 130.97,135.41 132.08,136.53 133.14,136.53 133.48,136.86 ; J17.4 130.97,135.1 ; J17.4 130.97,134.51 132.34,135.87 132.91,135.87 133.9,136.86 ; 133.9,136.86 133.48,136.86 ; v1(70.17,115.25) v1(70.17,119.06) v1(75.25,119.06) ; 15.56,107.31 15.56,134.3 ; 15.56,134.3 15.56,143.19 13.97,144.78 ; 15.56,134.3 15.56,134.3 BT1.2 ; 151.76,142.88 149.22,142.88 ; 151.76,142.88 U1.2 ; 151.76,142.88 148.27,142.88 ; 148.27,149.22 148.27,149.86 ; 148.27,149.22 U1.12 155.12,149.22 155.82,148.52 ; 17.78,209.53 16.19,209.53 15.88,209.21 15.88,206.38 ; 148.27,144.78 148.27,142.88 ; v1(68.58,152.08) v1(68.58,153.35) v1(68.58,154.62) ; 157.48,135.57 C22.2 154.94,127 152.4,127 151.13,128.27 149.86,127 149.86,126.68 ; v1(97.79,129.54) v1(96.52,129.54) ; 73.03,191.77 72.39,192.41 69.53,192.41 68.26,193.68 v1(64.77,193.68) v1(64.77,192.72) v1(64.77,191.77) ; v1(95.25,129.54) v1(93.98,129.54) ; 142.88,156.84 U1.35 ; v1(99.06,130.81) v1(97.79,130.81) ; 16.83,183.51 15.88,184.47 15.88,206.38 ; 16.83,183.51 16.83,178.44 22.86,172.4 22.86,171.45 ; 16.83,183.51 12.06,183.51 11.43,184.15 11.43,184.17 J11.3 ; 15.56,81.91 35.56,81.91 ; J10.1 15.56,3.81 15.56,11.11 H1.1 5.71,20.96 C21.2 15.56,30.8 15.56,64.13 ; v1(101.6,129.54) v1(99.06,129.54) ; C1.2 140.65,124.14 140.02,124.78 140.02,124.8 C31.2 141.9,126.68 149.86,126.68 ; U4.13 69.53,148.27 69.53,148.91 U5.20 ; H3.1 13.97,144.78 ; v1(72.71,119.06) v1(72.71,117.79) ; Y2.3 33.34,136.3 33.34,135.49 Y2.3 33.12,133.35 33.97,133.35 C16.2 36.51,132.72 v1(38.73,132.72) ; H4.1 15.88,206.38 ; 35.56,81.91 48.26,81.91 ; 35.56,81.91 C48.1 ; 155.82,148.52 J14.12 ; J14.6 156.17,141.86 ; U8.7 15.56,69.53 ; v1(64.77,199.71) v1(64.77,198.75) 65.09,199.07 v1(73.66,199.07) 91.76,199.07 ; v1(71.44,116.52) v1(71.44,117.79) v1(71.44,119.06) ; 25.4,41.91 15.56,41.91 ; v1(93.98,130.81) v1(92.71,130.81)
  Top w0.6: U2.25 151.13,203.2 153.67,203.2 U2.21 ; v1(48.26,192.72) v1(59.69,192.72) ; v1(48.26,199.39) v1(52.07,199.39) v1(58.42,199.39) ; 70.17,172.72 67.94,172.72 67.31,173.35 67.31,175.89 ; 69.85,173.04 69.85,175.26 69.22,175.89 67.31,175.89 ; v1(62.23,175.26) 62.86,175.89 67.31,175.89 ; v1(159.7,203.52) v1(158.75,203.52) 158.43,203.2 156.21,203.2 ; 158.75,195.58 161.93,195.58 ; v1(53.34,208.28) v1(48.26,208.28)
  Top w0.7: 91.76,199.07 92.73,198.1 96.34,198.1 97.63,196.81
  Top w0.8: 119.54,128.75 119.21,129.08 119.21,130.49 ; 69.85,173.04 70.48,172.4 71.44,172.4 73.66,170.18 v1(73.66,154.62) v1(73.66,153.35) ; 69.22,166.69 69.88,166.02 69.88,157.51 68.58,156.21 v1(68.58,154.62) ; v1(135.89,119.06) 129.22,119.06 v2(128.91,119.38) ; v1(120.01,163.51) 122.09,163.51 122.16,163.58 127.18,163.58 J15.26
  Top w1: J17.1 J17.4 ; v2(109.22,191.77) v1(101.6,191.77) v1(97.79,191.77) ; v1(105.41,106.68) 104.14,105.41 J5.31 ; J15.26 J15.23
  Top w1.2: 119.54,128.75 126.35,121.94 v1(126.35,121.92) 127.62,120.65 v2(127.63,120.65) v2(128.91,119.38) ; U2.63 U2.61 ; C49.1 41.93,17.76 44.43,15.26 C43.2 ; J13.16 J13.15 ; 22.86,171.45 25.4,168.91 C15.2 26.03,168.28 26.99,168.28 ; v2(161.29,139.7) 161.29,136.84 160.02,135.57 156.53,135.57 151.45,140.65 150.5,140.65 148.27,142.88 ; U5.7 35.56,152.72 36.2,153.35 v1(64.45,153.35) 65.09,153.35 U5.20 ; 53.97,137.48 67.94,137.48 v1(68.58,136.84) v1(72.39,136.84) 72.71,136.84 v1(74.61,134.94) ; J16.18 J16.17 ; 105.41,153.03 v1(109.22,153.03) v1(109.22,151.76) 109.22,150.5 ; J7.31 101.6,55.9 C36.2 ; 154.94,102.87 159.33,102.87 169.86,113.4 169.86,126.68 169.54,127 J13.11 J13.12 154.94,127 ; 154.94,102.87 154.94,96.54 C33.2 ; 154.94,102.87 J5.80 ; C14.2 69.85,149.86 U5.20 ; J14.11 J14.12 J14.14 J14.13 ; v1(70.17,115.25) 69.22,114.3 U6.16 ; U5.20 v1(68.58,152.08) ; 87.63,133.99 84.45,133.99 ; C42.2 44.43,76.22 41.93,78.72 C45.1 C48.1 34.27,78.72 31.77,76.22 C34.2 ; v1(111.76,156.84) 116.21,156.84 v1(117.47,155.57) v2(121.6,151.45) 122.24,150.81 ; J9.31 101.6,15.24 101.58,15.26 C39.2 ; C40.2 154.92,15.26 154.94,15.28 J9.80 ; v1(51.75,170.18) 54.93,167 68.9,167 69.22,166.69 ; v1(70.17,119.06) 62.23,119.06 60.64,120.65 55.88,120.65 55.56,120.97 36.2,120.97 v1(33.02,117.79) ; U2.5 161.93,186.69 161.93,195.58 162.56,196.22 v1(162.56,203.52) ; C32.2 32.37,96.54 ; v1(160.02,175.26) 158.43,176.85 157.16,176.85 U2.66 ; C35.2 33.63,55.9 33.66,55.88 33.66,61.59 25.4,61.59 J7.1 ; 104.78,140.33 107.95,140.33 ; 151.13,128.27 151.13,130.49 ; U2.42 139.38,194.31 140.65,195.58 v1(148.27,195.58) 156.21,195.58 U2.14 158.75,195.58 ; 158.48,149.86 158.48,147.86 ; v1(105.41,85.09) v1(104.14,85.09) J6.31 ; J6.10 48.26,81.91 ; U2.21 156.21,203.2 ; 151.76,102.87 148.59,102.87 146.37,100.65 139.38,100.65 137.79,99.06 111.76,99.06 110.49,97.79 v1(105.41,97.79) v1(101.6,97.79) ; J3.22 v1(64.77,198.75) ; U2.25 U2.27 ; 105.09,120.02 107.31,117.79 107.31,115.57 106.06,114.32 C30.2 ; J6.1 25.4,81.91 ; 35.56,17.78 34.29,17.78 31.75,15.24 31.73,15.26 C38.2 ; J7.80 154.94,55.88 154.92,55.9 C37.2 ; U2.34 U2.32 ; C18.2 87.31,119.06 v1(75.25,119.06) ; 73.03,191.77 v1(97.79,191.77) ; J8.1 25.4,41.91
  Bottom w0.25: J14.1 157.48,138.86 157.48,140.86 ; 105.41,6.67 105.41,19.37 ; v1(59.69,175.26) 59.69,173.35 60.64,172.4 v1(60.64,167) ; v1(59.69,175.26) v1(57.15,175.26) v1(54.61,175.26) ; v1(59.69,175.26) v1(62.23,175.26) ; 157.48,140.86 160.13,140.86 v2(161.29,139.7) ; 157.48,140.86 J14.6 ; v1(135.89,119.06) 135.89,119.38 C1.2 ; J17.4 131.97,133.35 131.97,130.7 131.76,130.49 ; v1(120.97,163.51) v1(120.01,163.51)
  Bottom w0.3: v1(84.45,144.14) v1(85.72,144.14) ; v1(84.45,144.14) v1(84.45,145.41) v1(85.72,145.41) ; v1(84.45,144.14) v1(84.45,142.88) v1(85.72,142.88) ; 105.41,26.99 v1(105.41,41.91) ; 105.41,67.63 v1(105.41,75.56) ; v1(111.76,156.84) 110.49,158.12 102.87,158.12 101.6,156.84 v1(101.6,154.31) ; v1(105.41,46.99) v1(105.41,57.15) ; v1(105.41,78.1) v1(105.41,85.09) v1(105.41,97.79) v1(105.41,106.68) 105.41,112.08 104.46,113.03 104.46,113.37 C30.2 103.82,115.91 103.82,125.73 102.87,126.68 v1(102.87,129.54) ; 102.87,176.53 102.87,167 100.33,164.47 v1(100.33,154.31) ; v1(100.33,153.03) v1(101.6,153.03) ; v2(127.63,120.65) 126.84,120.65
  Bottom w0.4: v1(102.87,178.44) v1(102.23,177.8) 102.23,177.16 102.87,176.53 ; 36.83,140.97 U7.7 ; 36.83,140.97 v1(38.73,139.06) v1(38.73,132.72) ; 36.83,140.97 36.83,148.59 U5.7 ; 163.83,153.67 163.08,153.67 v1(161.81,154.94) ; v1(60.64,155.89) v1(60.64,154.62) v1(60.64,153.35) ; v1(120.01,175.89) v1(120.01,174.62) v1(120.01,173.35) ; v1(120.01,173.35) v1(120.01,172.08) ; v1(120.01,173.35) 120.65,172.72 X1.4 ; v1(64.45,155.89) v1(64.45,154.62) v1(64.45,153.35) ; v1(63.18,155.89) v1(63.18,154.62) v1(63.18,153.35) ; v1(61.91,155.89) v1(61.91,154.62) v1(61.91,153.35) ; v1(92.71,130.81) v1(92.71,129.54) ; v1(97.79,130.81) v1(97.79,129.54) ; v1(75.25,119.06) v1(73.98,119.06) v1(70.17,115.25) ; v1(93.98,129.54) v1(93.98,130.81) ; v1(99.06,129.54) v1(99.06,130.81) ; 161.61,150.18 163.83,152.4 163.83,170.2 C29.2 161.27,170.18 160.02,170.18 ; v1(95.25,130.81) v1(95.25,129.54) ; v1(96.52,129.54) v1(96.52,130.81)
  Bottom w0.6: v1(48.26,208.28) v1(48.26,199.39) v1(48.26,192.72) ; v1(60.96,208.28) 60.96,202.56 58.42,200.03 v1(58.42,199.39) 58.42,193.99 v1(59.69,192.72) ; 146.05,203.2 146.05,205.42 145.73,205.74 ; U2.38 135.89,200.66 135.89,203.2 U2.34 ; J10.10 48.26,5.72 49.53,6.98 49.53,11.11 48.89,11.75 48.89,21.59 48.26,22.22 J9.10 48.26,26.19 49.53,27.46 49.53,31.12 49.21,31.43 49.21,41.59 48.26,42.54 J8.10 48.26,46.35 49.53,47.62 49.53,61.28 48.26,62.55 J7.10 48.26,66.68 49.53,67.94 49.53,72.07 48.83,72.77 48.83,82.61 48.26,83.19 J6.10 48.26,87 49.53,88.26 v1(49.53,93.03) ; v1(52.07,199.39) 52.07,201.61 53.34,202.88 v1(53.34,208.28) ; v1(38.73,132.72) 36.83,130.81 36.83,128.59 ; v1(73.66,191.77) v1(73.66,199.07) v1(73.66,208.28) ; v2(109.22,191.77) v2(109.22,208.28) ; v1(101.6,191.77) v1(101.6,208.28) ; 138.43,180.34 138.43,177.16
  Bottom w0.8: v1(49.53,93.03) v1(48.26,94.3) v1(48.26,93.03) v1(49.53,93.03)
  Bottom w1: 118.43,148.91 118.11,148.91 115.25,146.05 115.25,143.47 116.84,141.88 C13.2 ; J14.1 158.5,137.86 160.34,139.7 v2(161.29,139.7) ; J17.1 J17.4 ; 138.43,177.16 137.48,176.21 137.48,172.08 139.06,170.5 139.06,169.23
  Bottom w1.2: 138.43,180.34 U2.55 139.7,183.51 141.29,185.1 141.29,190.18 U2.42 ; U6.1 30.48,115.25 v1(33.02,117.79) 36.83,121.6 36.83,128.59 ; v1(126.35,121.92) 126.37,121.94 126.37,131.76 126.95,132.35 J17.1 128.91,132.28 128.91,130.49 136.53,130.49 136.97,130.94 J17.9 ; J16.18 J16.17 121.33,145.86 118.43,148.76 118.43,152.72 v1(119.38,153.67) ; J14.11 161.55,147.86 v1(161.65,147.95) v1(162.56,147.95) C11.2 ; J14.11 J14.13 ; J14.11 J14.12 J14.14 J14.13 ; J5.80 156.84,105.41 156.84,85.09 ; U2.32 v1(139.7,207.01) ; J15.9 144.97,168.49 144.24,169.23 139.06,169.23 ; 158.43,24.13 J9.80 ; 158.43,24.13 158.43,44.45 ; 158.43,24.13 158.43,3.81 J10.80 ; U6.16 69.22,114.3 v1(70.17,115.25) ; C12.2 147.32,176.21 U2.60 U2.61 ; v1(158.75,203.52) v1(162.56,203.52) ; v1(160.02,175.26) v1(160.02,173.99) 160.02,170.18 ; U2.63 149.86,186.69 148.27,188.28 v1(148.27,195.58) 147.32,196.53 U2.27 146.05,203.2 ; 139.06,169.23 138.97,169.13 J15.15 ; 139.06,169.23 130.97,169.23 J15.23 ; J1.9 v1(97.79,208.28) J2.9 J3.9 J4.9 ; 161.61,150.18 161.29,149.86 J14.13 ; J4.22 J3.22 J2.22 J1.22 ; 158.43,44.45 J8.80 ; 158.43,44.45 158.43,64.77 ; J5.10 v1(48.26,94.3) v1(49.53,94.3) v1(49.53,93.03) ; 118.43,125.09 118.43,138.75 C13.2 117.47,140.33 119.7,138.11 119.7,123.83 123.19,120.33 127.32,120.33 v2(127.63,120.65) ; 158.43,64.77 158.43,71.12 156.84,72.71 156.84,85.09 ; 158.43,64.77 J7.80 ; v1(145.73,207.01) 145.73,205.74 ; 156.84,85.09 J6.80 ; J5.31 v1(101.6,97.79) ; 99.06,165.1 100.94,165.1
  vias: v1(46.67,137.48) v1(52.7,169.23) v1(53.66,168.28) v1(61.91,167) v1(63.18,167) v1(64.45,167) v1(68.58,155.89) v1(69.85,136.84) v1(70.17,117.79) v1(70.17,116.52) v1(71.12,136.84) v1(73.66,155.89) v1(113.03,156.84) v1(118.43,154.62) v2(119.7,128.59)
